# Altium PCB uStepper.PcbDoc (part 1 of 2)
Units mm, origin at the board's own origin, x right, y up, seen from the top; angles counter-clockwise.
Board outline 41.8 x 41.8 mm, 4 copper layers (Top Layer, GND, VCC, Bottom Layer), stack 1.6 mm thick; 108 components, 75 nets, 382 pads, 392 vias.
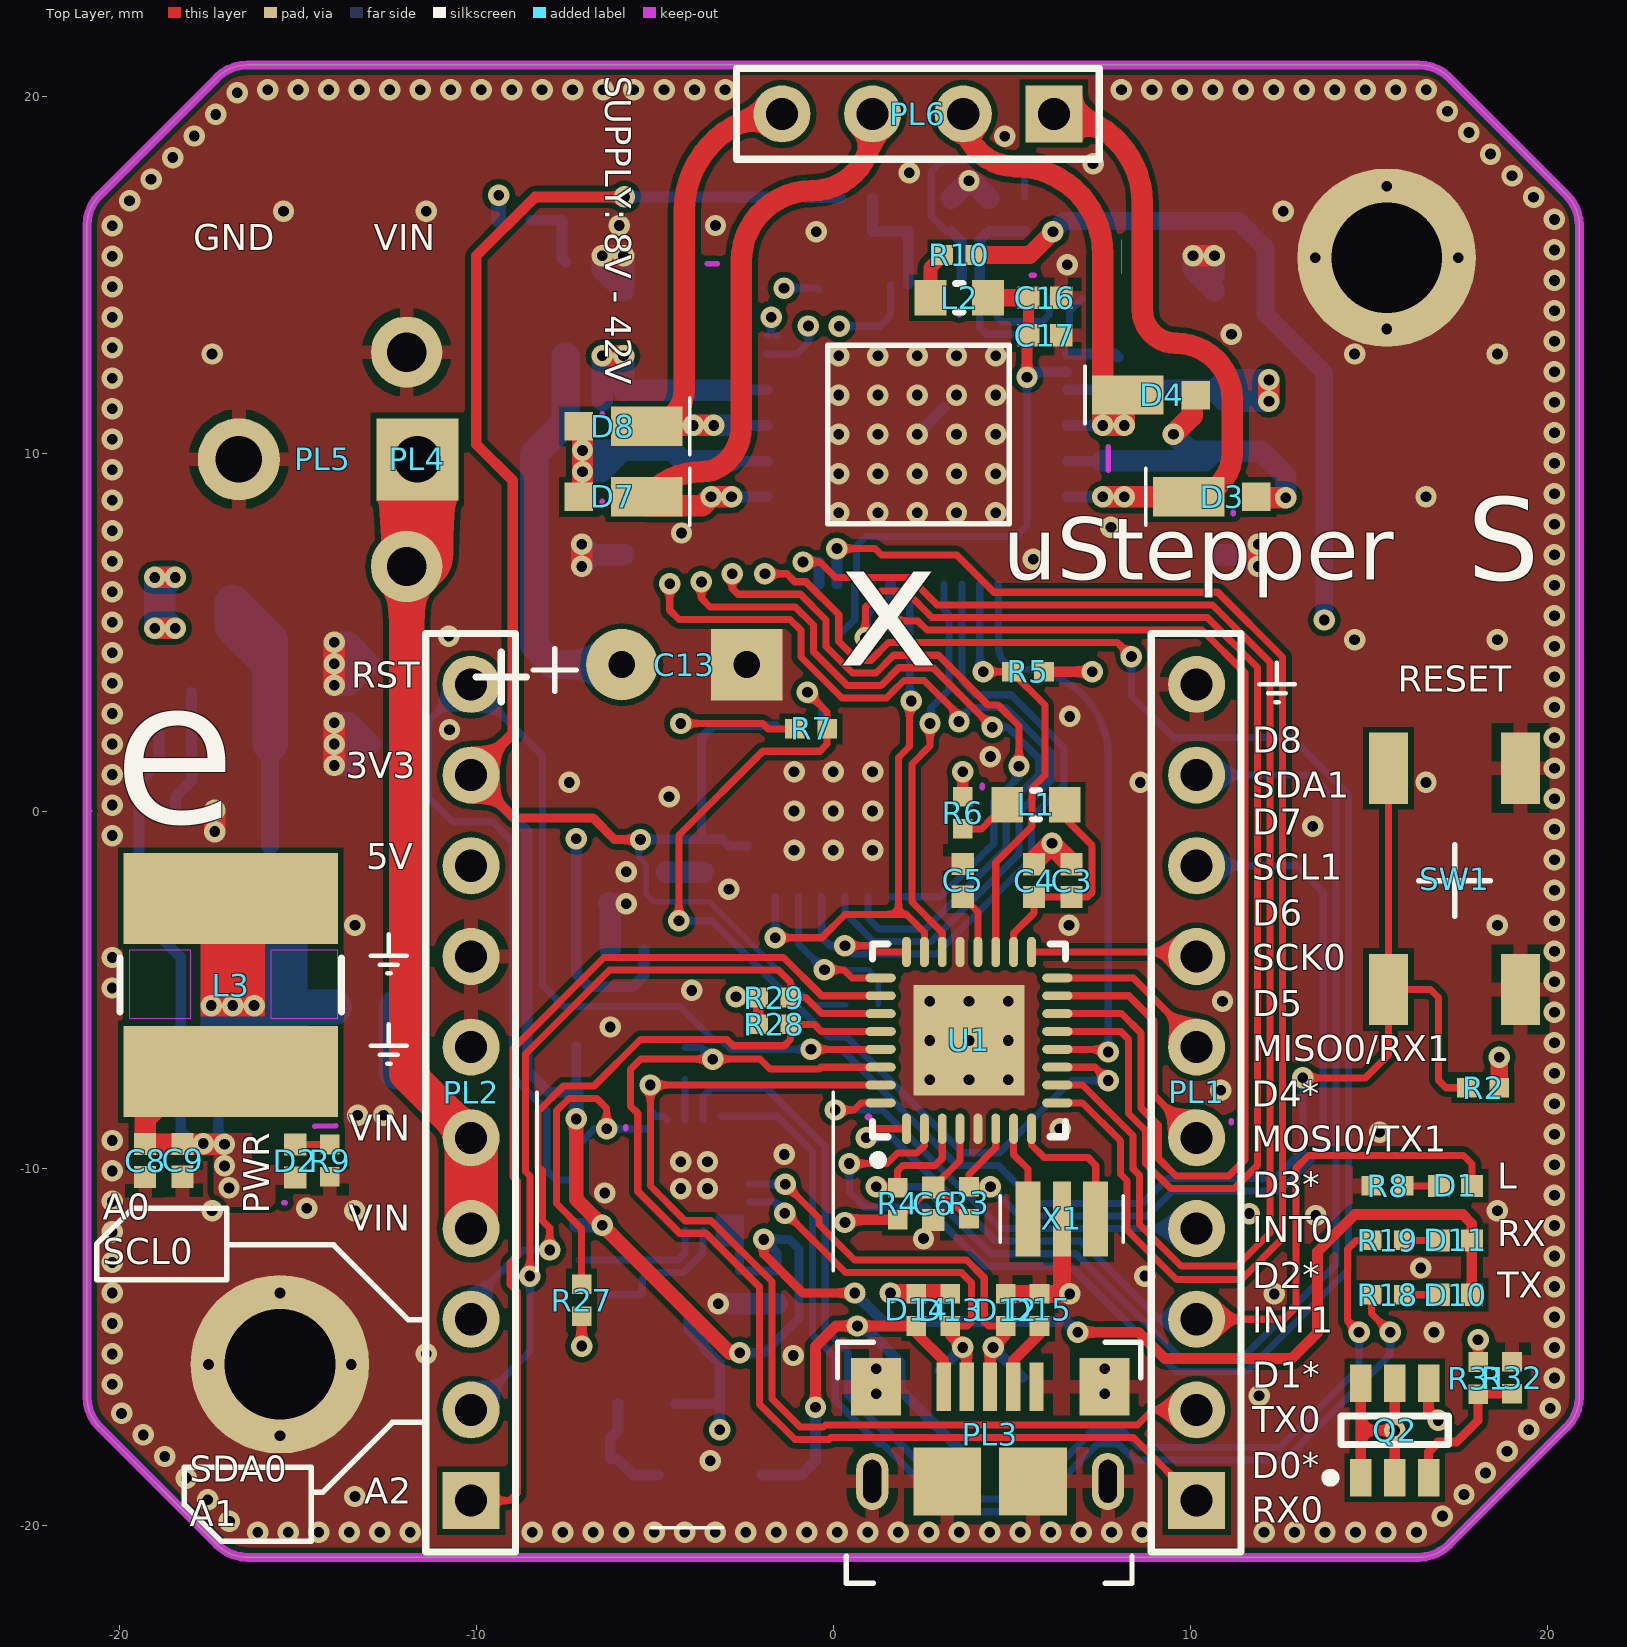
[diagram p0: Top Layer view]
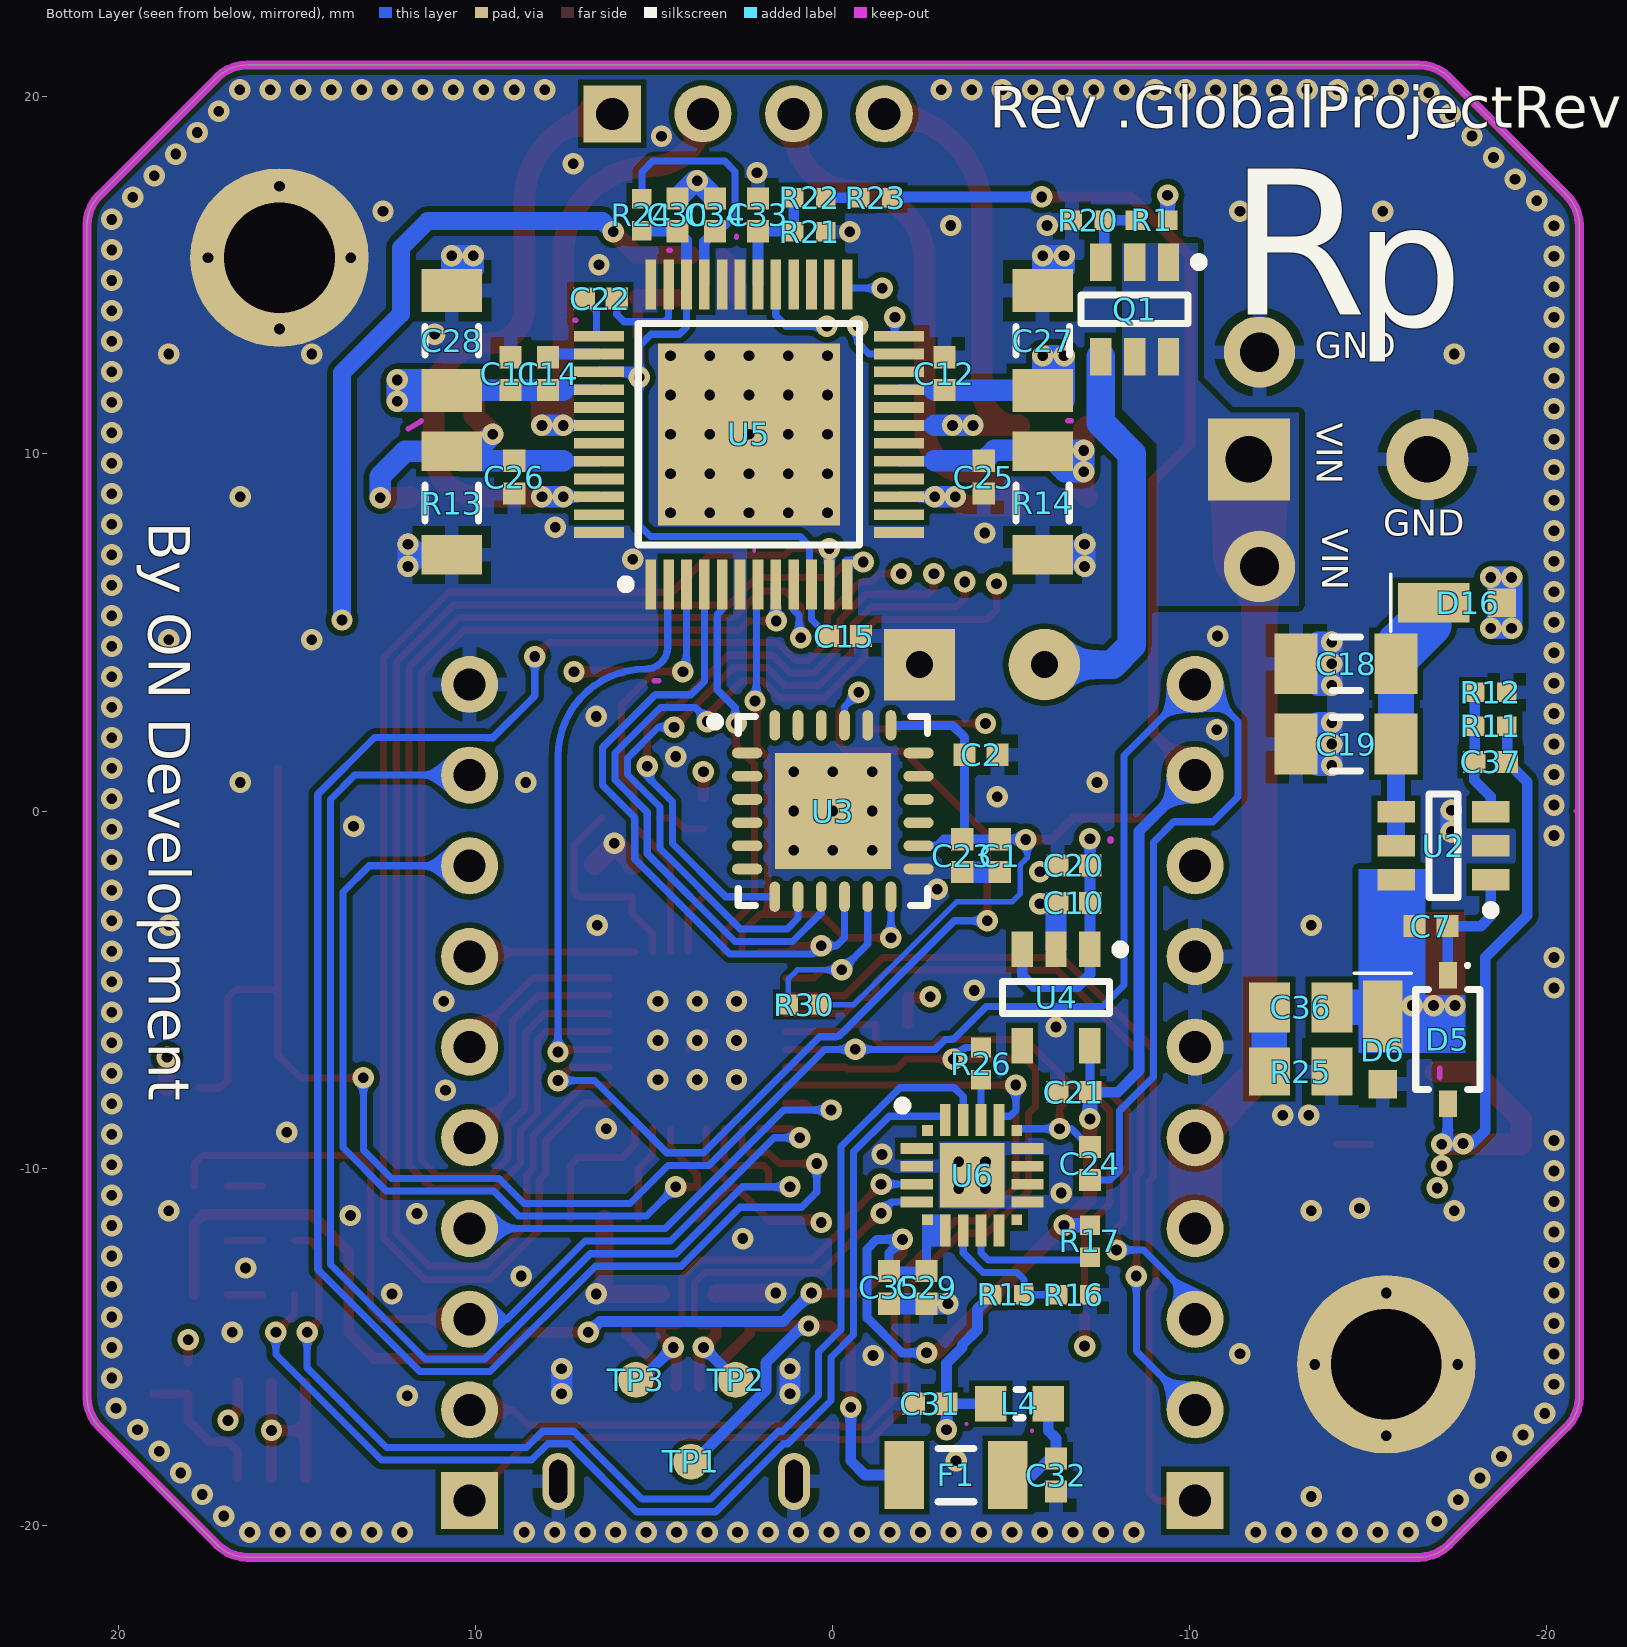
[diagram p1: Bottom Layer view, seen from below]
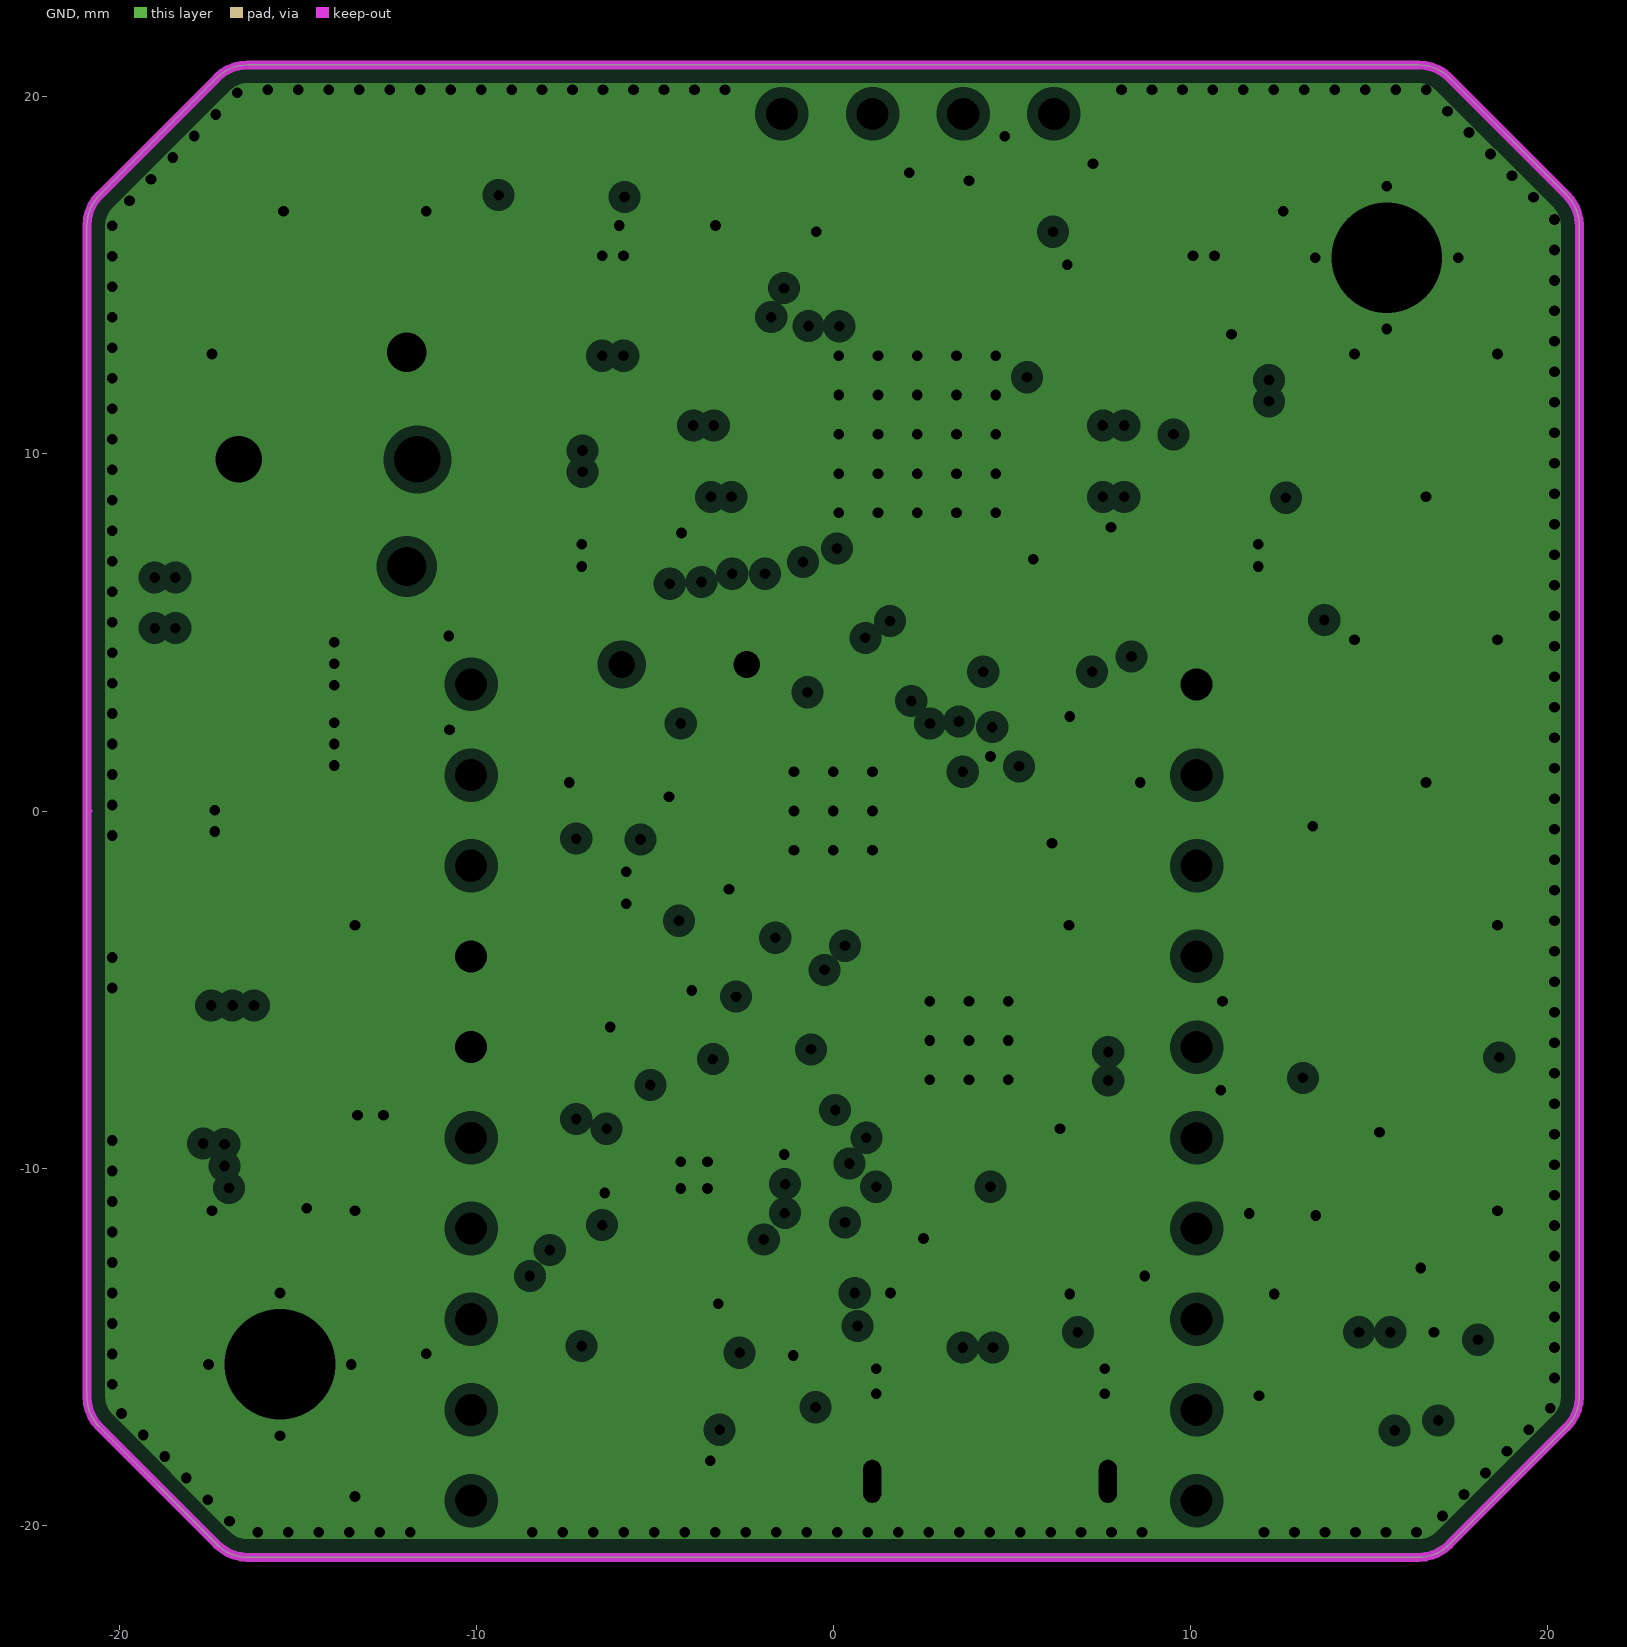
[diagram p2: GND, clearances drawn from the general rule]
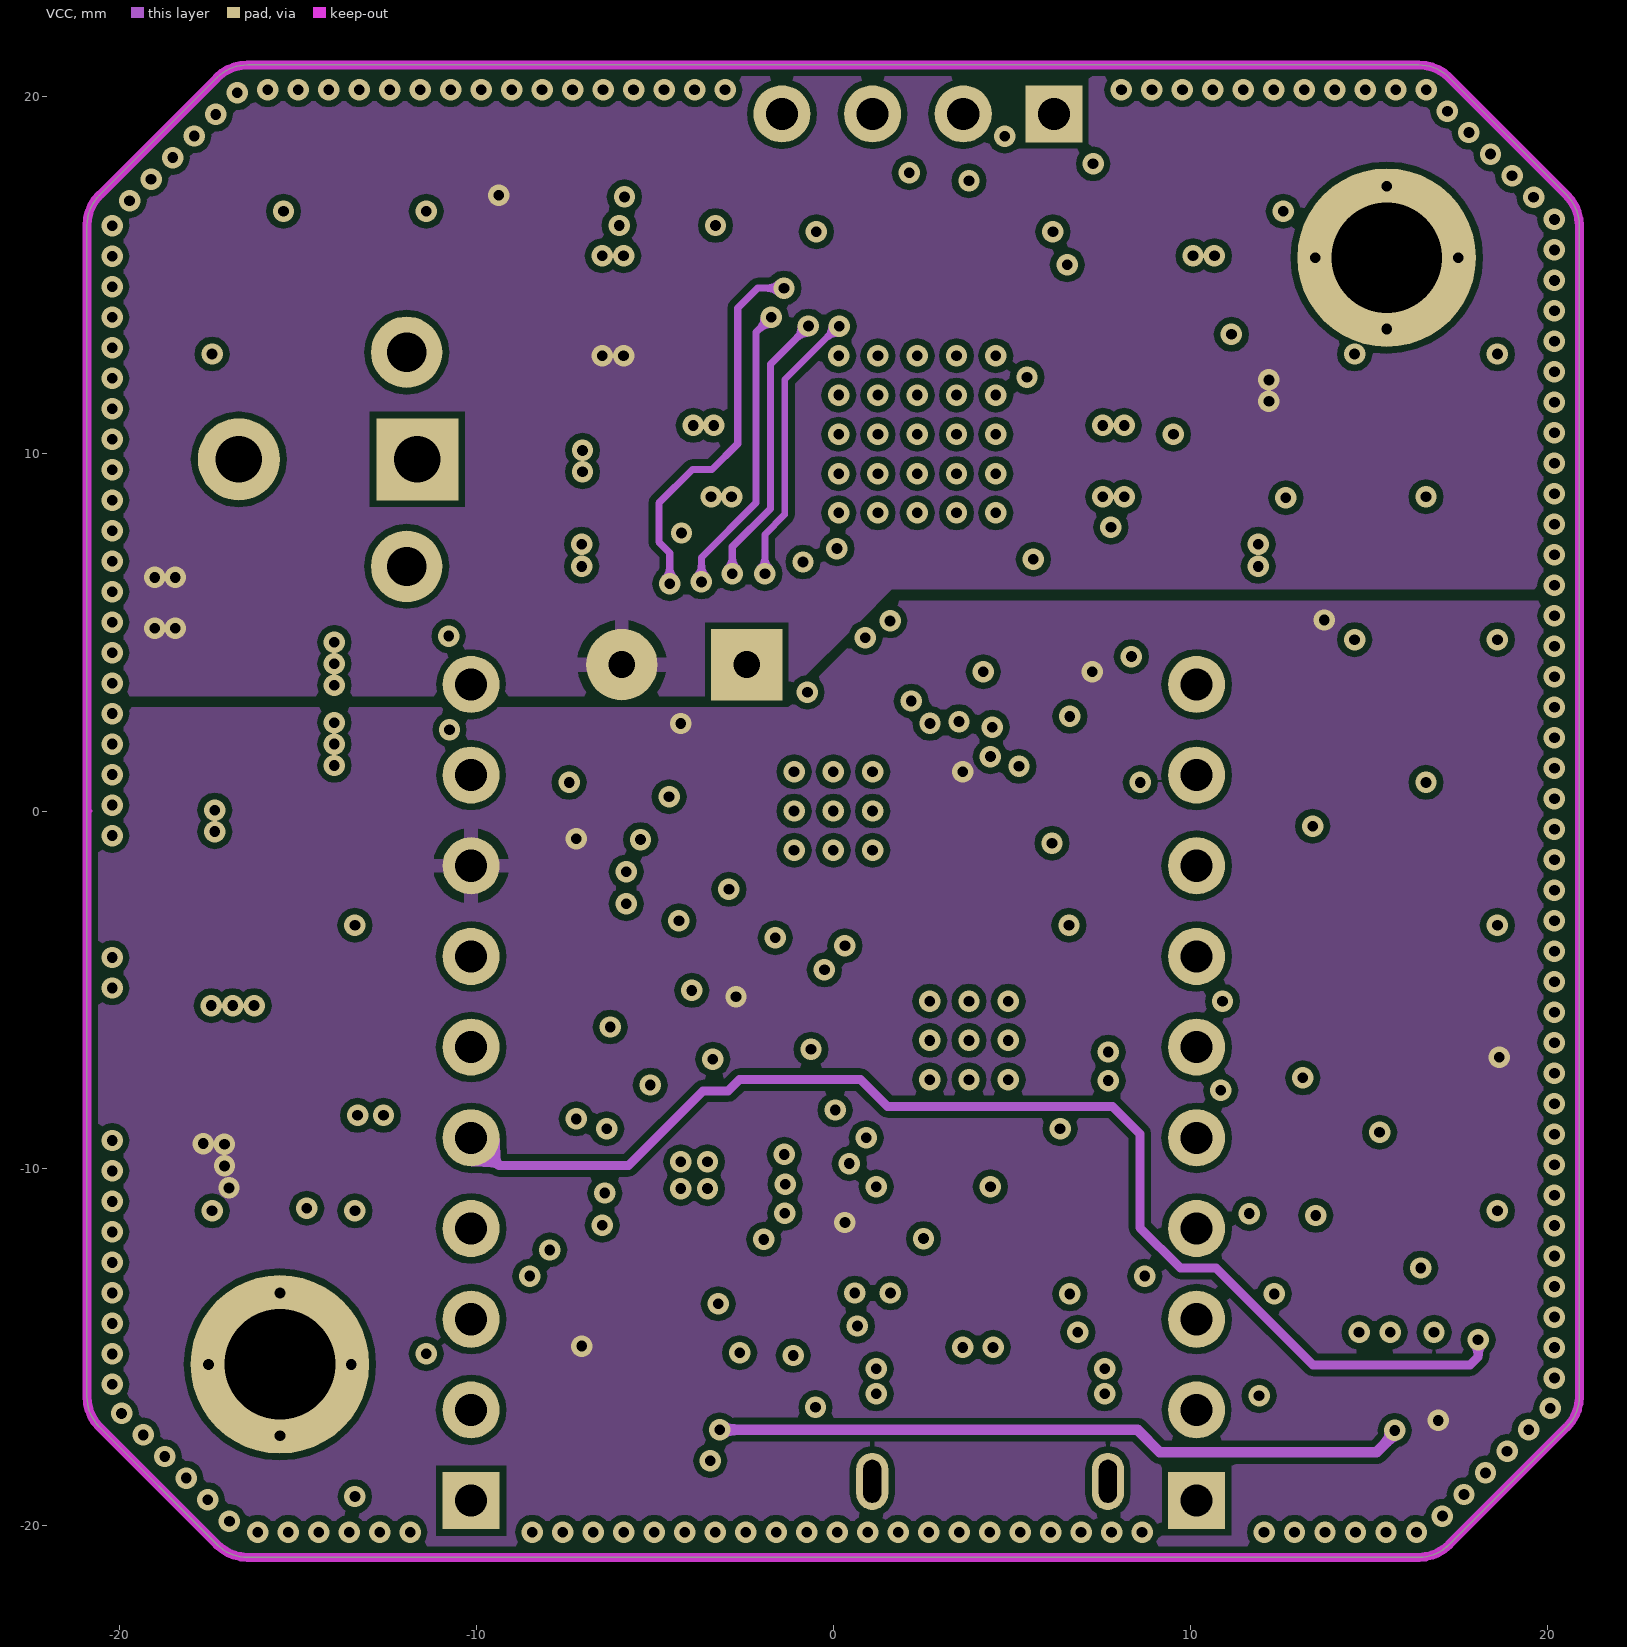
[diagram p3: VCC]
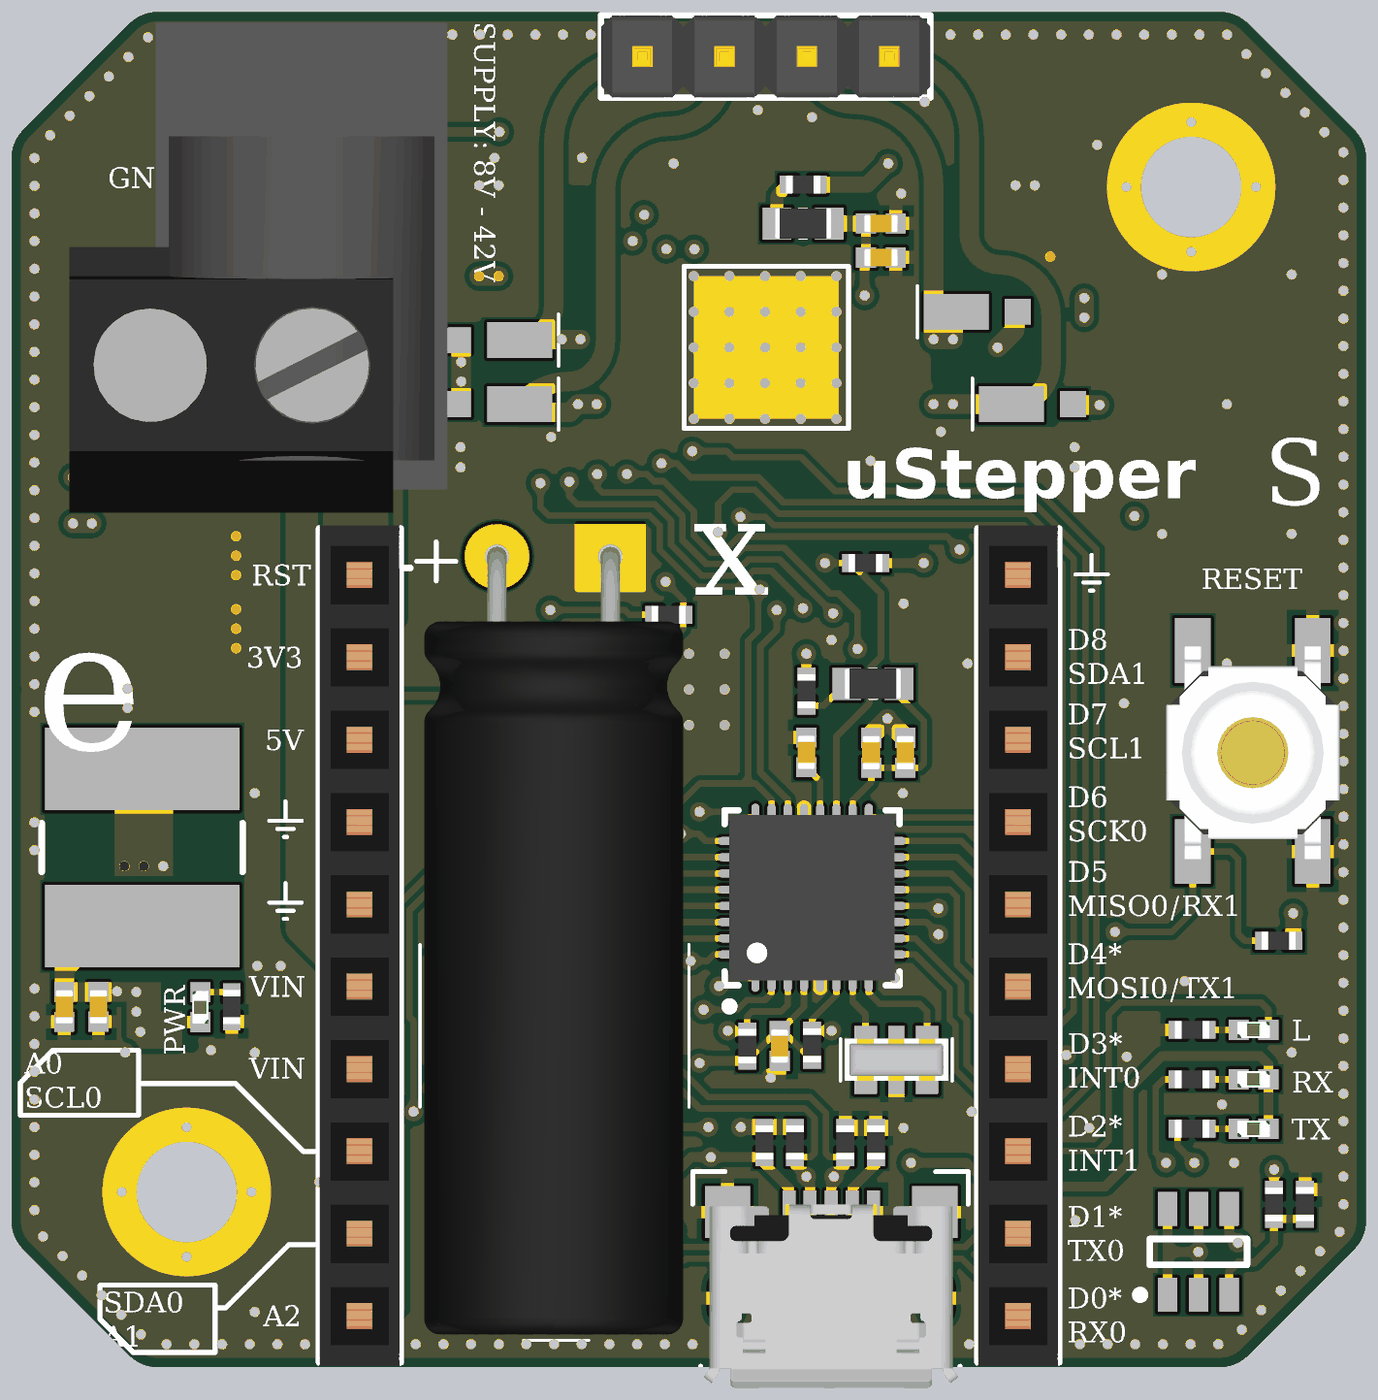
[diagram p5: 3D render of the assembled board from above, using the file's embedded part models]
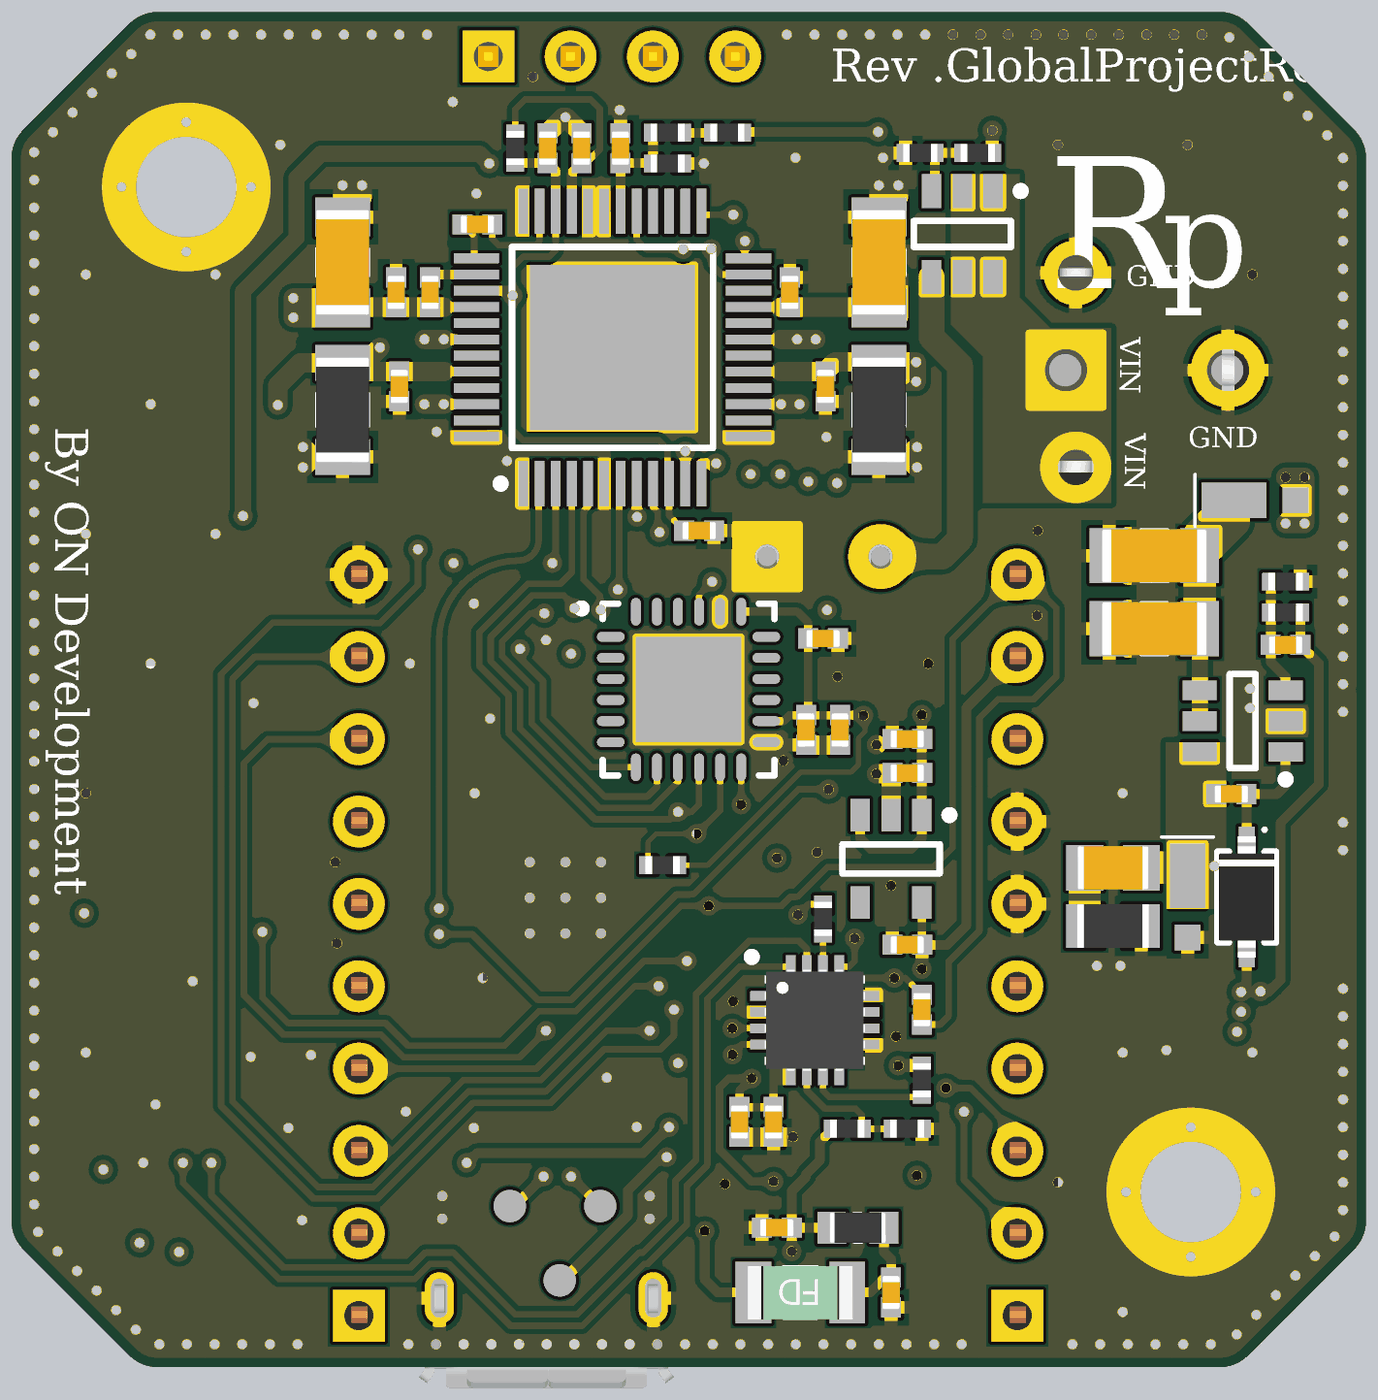
[diagram p6: 3D render of the assembled board from below, using the file's embedded part models]

## Layer stack, top to bottom
Top Solder: solder mask 0.0102, Solder Resist, Dk 3.5
Top Layer: signal copper 0.035
Dielectric 1: prepreg 0.23, 2x2116, Dk 4.2
GND: plane copper 0.035, net GND
Dielectric 3: core 1, Dk 4.2
VCC: signal copper 0.035
Dielectric 4: prepreg 0.23, 2x2116, Dk 4.2
Bottom Layer: signal copper 0.035
Bottom Solder: solder mask 0.0102, Solder Resist, Dk 3.5

## Board outline
-20.557,-17.251 cw(c-19.699,-16.403) -20.906,-16.403 -20.906,16.397 cw(c-19.699,16.397) -20.553,17.251 -17.26,20.544 cw(c-16.406,19.69) -16.406,20.897 16.394,20.897 cw(c16.394,19.69) 17.247,20.544 20.54,17.251 cw(c19.687,16.397) 20.894,16.397 20.894,-16.403 cw(c19.687,-16.403) 20.545,-17.251 17.243,-20.554 cw(c16.394,-19.696) 16.399,-20.903 -16.412,-20.903 cw(c-16.406,-19.696) -17.255,-20.554
